# Altium PCB STEVAL-ESLBLECB.PcbDoc (part 2 of 2)
Units mm, origin at the board's own origin, x right, y up, seen from the top; angles counter-clockwise.
Board outline 45.59 x 31.82 mm, 4 copper layers (Top Layer, Mid Layer 1, Mid Layer 2, Bottom Layer), stack 0.886 mm thick; 85 components, 64 nets, 263 pads, 388 vias.
Unrouted connection lines stored in the file: 146.
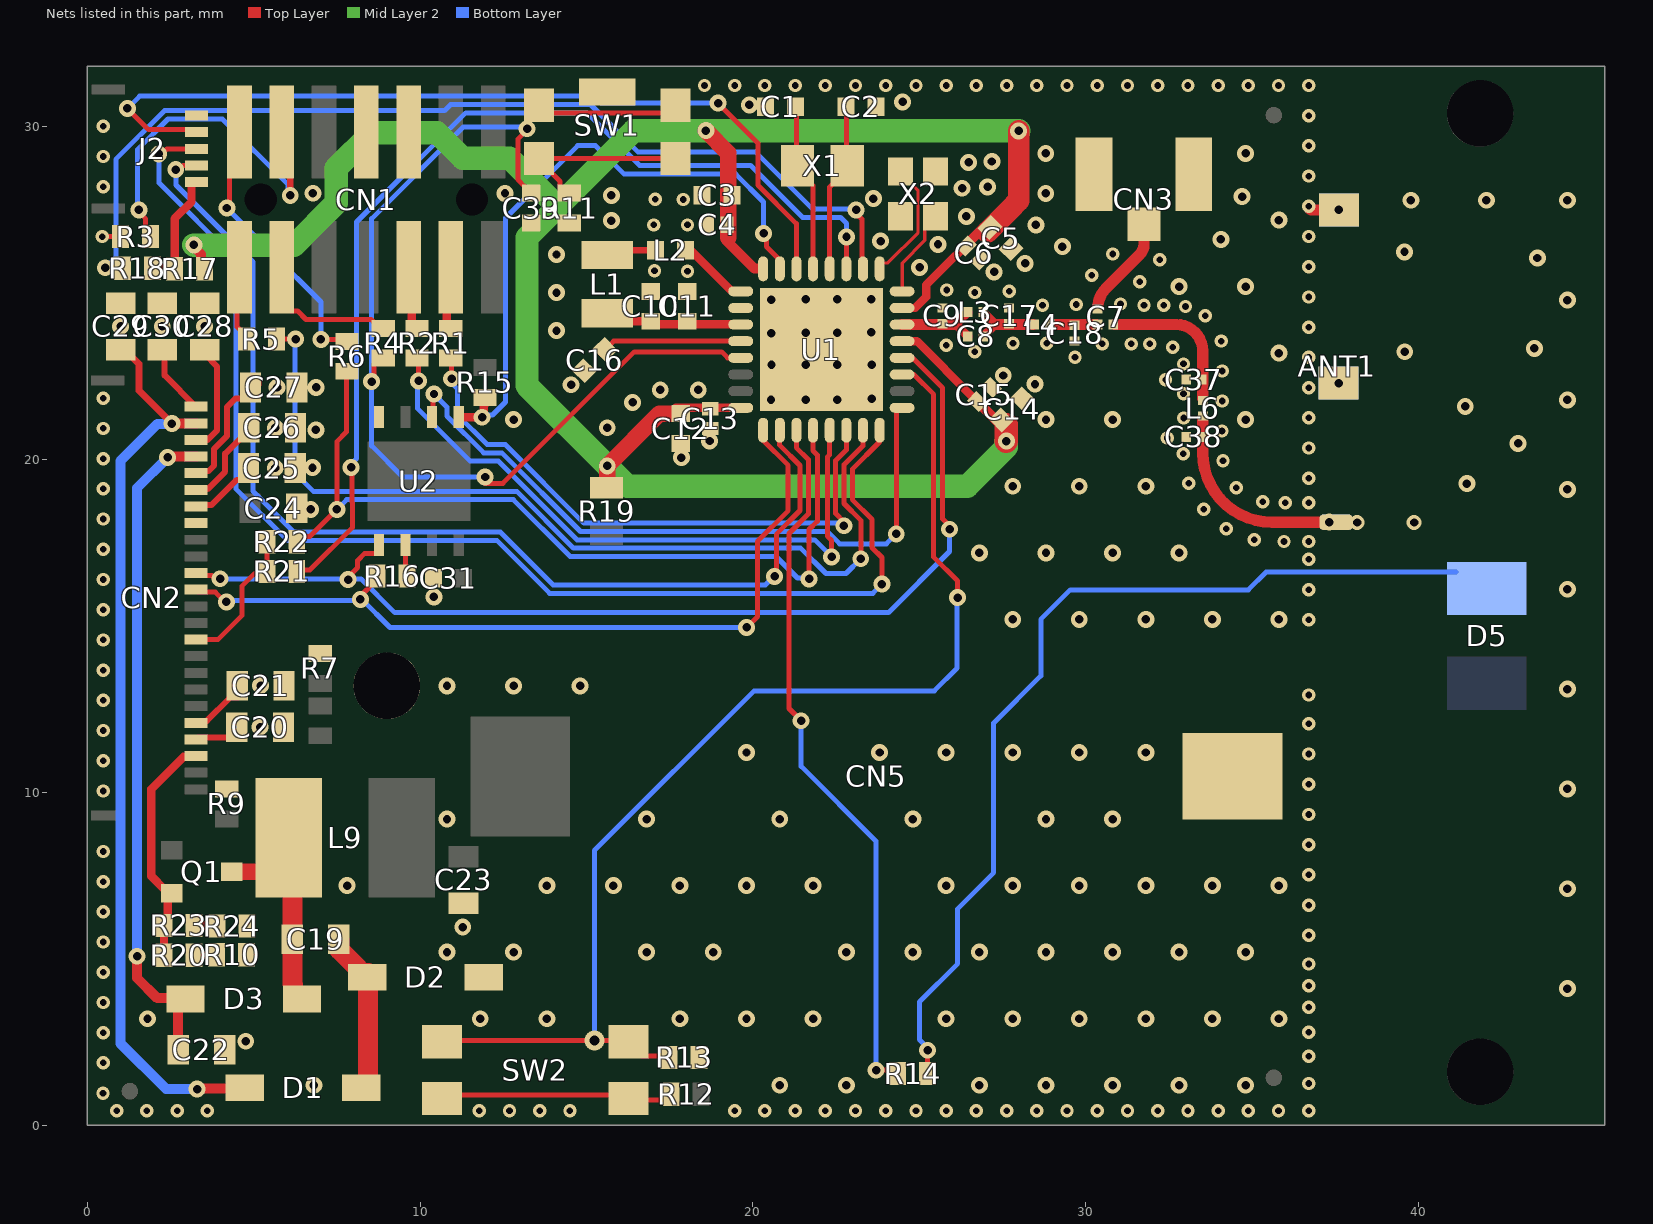
[diagram p4: the nets of this part, all layers, seen from the top]

## Via types
v1: diameter 0.508, hole 0.254, Top Layer to Bottom Layer, tented both sides, 207 vias
v2: diameter 0.4, hole 0.2, Top Layer to Bottom Layer, tented both sides, 157 vias
v3: diameter 0.508, hole 0.254, Top Layer to Bottom Layer, 20 vias
v4: diameter 0.45, hole 0.254, Top Layer to Bottom Layer, 2 vias
v5: diameter 0.6, hole 0.3, Top Layer to Bottom Layer, tented both sides, 2 vias

## Nets (pads, with @x,y where several pads share a name; then routed paths per layer and width w, separated by ;. In a path a pad name is that pad's centre, name@x,y a point inside that pad or via, vN(x,y) a via of type N, cw(c..) or ccw(c..) an arc to the next point about the centre after c; other vN are vias at no path point) (continued)
GND: ANT1.2 C1.2 C2.1 C3.1 C4.1 C5.1 C6.1 C9.1 C10.1 C11.1 C12.1 C13.1 C14.1 C15.1 C16.1 C17.1 C18.1 C20.1 C21.1 C22.1 C23.1 C24.1 C25.1 C26.1 C27.1 C28.1 C29.1 C30.1 C31.1 C37.1 C38.1 C39.1 CN1.5 CN1.7 CN2.17 CN3.2 CN3.3 CN5.2 D2.1 J2.1 pad.13@9,13.2 R3.1 R7.2 R9.1 R10.1 R11.1 R13.1 R24.2 SW1.5 U1.26 U1.33 U2.4 X2.2 X2.4 | length 1.5
  Top Layer w0.15: v2(0.45,26.7) R3.1@1,26.7
  Top Layer w0.34: v2(36.703,27.61) ccw(c36.812,27.61) 36.812,27.501 ANT1.2@37.6,27.501
  other v1: 6.807,1.198 20.807,1.198 22.807,1.198 26.807,1.198 28.807,1.198 30.807,1.198 32.807,1.198 34.807,1.198 4.76,2.521 1.807,3.198 11.807,3.198 13.807,3.198 17.807,3.198 19.807,3.198 21.807,3.198 25.807,3.198 27.807,3.198 29.807,3.198 31.807,3.198 33.807,3.198 35.807,3.198 10.807,5.198 12.807,5.198 16.807,5.198 18.807,5.198 22.807,5.198 24.807,5.198 26.807,5.198 28.807,5.198 30.807,5.198 32.807,5.198 34.807,5.198 11.281,5.95 7.807,7.198 13.807,7.198 15.807,7.198 17.807,7.198 19.807,7.198 21.807,7.198 25.807,7.198 27.807,7.198 29.807,7.198 31.807,7.198 33.807,7.198 35.807,7.198 10.807,9.198 16.807,9.198 20.807,9.198 24.807,9.198 28.807,9.198 30.807,9.198 19.807,11.198 23.807,11.198 25.807,11.198 27.807,11.198 29.807,11.198 31.807,11.198 5.192,11.958 10.807,13.198 12.807,13.198 14.807,13.198 5.207,13.208 27.807,15.198 29.807,15.198 31.807,15.198 33.807,15.198 35.807,15.198 10.414,15.875 26.807,17.198 28.807,17.198 30.807,17.198 32.807,17.198 6.713,18.5 27.807,19.198 29.807,19.198 31.807,19.198 5.645,19.746 6.764,19.757 17.852,20.058 18.696,20.557 6.866,20.89 5.651,20.951 15.621,20.955 12.807,21.198 28.807,21.198 30.807,21.198 34.807,21.198 16.383,21.717 20.542,21.804 21.591,21.798 22.536,21.804 23.565,21.826 17.214,22.095 18.357,22.095 5.702,22.166 6.875,22.168 14.538,22.249 28.475,22.269 27.521,22.526 20.557,22.855 21.581,22.855 22.536,22.855 23.565,22.855 35.807,23.198 20.55,23.799 21.591,23.813 22.536,23.814 23.555,23.82 14.097,23.876 1,24 2.25,24 3.522,24 20.555,24.808 21.591,24.814 22.536,24.814 23.555,24.824 14.097,25.019 32.807,25.198 34.807,25.198 27.249,25.639 25.008,25.773 28.176,25.893 14.097,26.162 29.3,26.4 25.561,26.468 23.836,26.566 34.06,26.616 28.5,27.05 15.748,27.178 35.807,27.198 26.416,27.305 23.621,27.84 34.7,27.9 15.748,27.94 6.778,28.002 12.55,28 28.8,28 26.286,28.153 27.051,28.194 26.481,28.927 27.178,28.956 28.8,29.198 34.807,29.198 19.891,30.66 24.5,30.75
  other v2: 0.88,0.429 1.788,0.429 2.696,0.429 3.604,0.429 11.776,0.429 12.684,0.429 13.592,0.429 14.5,0.429 19.451,0.429 20.359,0.429 21.267,0.429 22.175,0.429 23.083,0.429 23.991,0.429 24.899,0.429 25.807,0.429 26.715,0.429 27.623,0.429 28.531,0.429 29.439,0.429 30.347,0.429 31.255,0.429 32.163,0.429 33.071,0.429 33.979,0.429 34.887,0.429 35.795,0.429 36.703,0.429 0.47,0.962 36.703,1.25 0.473,1.869 36.703,2.071 0.473,2.777 36.703,2.794 36.703,3.541 0.476,3.685 36.703,4.191 0.476,4.593 36.703,4.841 0.478,5.5 36.703,5.703 0.478,6.408 36.703,6.611 0.481,7.316 36.703,7.519 0.481,8.224 36.703,8.427 36.703,9.335 0.481,10.04 36.703,10.243 0.481,10.948 36.703,11.151 0.481,11.856 36.703,12.059 0.481,12.764 36.703,12.925 0.481,13.672 0.481,14.58 36.703,15.184 0.481,15.488 36.703,16.092 0.481,16.396 36.703,17 0.481,17.304 35.959,17.536 36.703,17.536 35.06,17.588 34.223,17.919 0.481,18.212 33.545,18.51 36,18.7 36.703,18.7 35.318,18.728 0.481,19.12 34.526,19.156 33.095,19.289 36.703,19.438 34.123,19.961 0.481,20.028 32.931,20.174 36.703,20.346 32.45,20.65 34.098,20.86 0.481,20.936 32.95,21.25 36.703,21.254 34.098,21.76 0.481,21.844 32.939,21.974 36.703,22.162 32.4,22.4 34.099,22.66 32.937,22.874 29.677,23.071 36.703,23.07 26.67,23.241 32.616,23.379 25.807,23.433 30.5,23.475 31.367,23.475 31.927,23.475 27.813,23.495 28.829,23.495 34.068,23.56 36.703,23.978 33.593,24.324 33,24.6 28.702,24.638 31.75,24.638 32.34,24.637 29.716,24.657 31.044,24.675 36.703,24.886 26.67,25.019 27.705,25.06 25.825,25.093 31.622,25.339 30.179,25.542 17.041,25.671 18.034,25.654 36.703,25.794 32.224,26.007 30.816,26.177 36.703,26.702 17.018,27.051 18.034,27.051 17.064,27.824 17.907,27.813 0.481,28.2 36.703,28.518 0.481,29.108 36.703,29.426 0.481,30.016 36.703,30.334 18.543,31.242 19.451,31.242 20.359,31.242 21.267,31.242 22.175,31.242 23.083,31.242 23.991,31.242 24.899,31.242 25.807,31.242 26.715,31.242 27.623,31.242 28.531,31.242 29.439,31.242 30.347,31.242 31.255,31.242 32.163,31.242 33.071,31.242 33.979,31.242 34.887,31.242 35.795,31.242 36.703,31.242
GPO: J2.4 U1.2 | length 33.2
  Top Layer w0.15: v1(2.655,28.712) 2.752,28.712 2.877,28.837 J2.4@3.278,28.837 ; v1(20.653,16.492) 20.701,16.54 20.701,17.753 21.416,18.467 21.416,19.822 20.805,20.433 U1.2@20.805,20.876
  Bottom Layer w0.15: v1(2.655,28.712) 2.661,28.706 2.661,28.252 4.976,25.938 4.976,19.049 6.204,17.821 12.408,17.821 13.998,16.231 20.372,16.231 20.633,16.492 v1(20.653,16.492)
NetANT1_1: ANT1.1 C38.2 L6.2 | length 6.2
  Top Layer w0.34: L6.2@33.516,21.241 33.516,20.2 ccw(c35.599,20.2) 35.599,18.118 ANT1.1@37.523,18.118
  other v1: 37.319,18.118
  other v3: 44.476,4.101 44.476,7.101 44.476,10.101 44.476,13.101 44.476,16.101 44.476,19.101 41.452,19.279 42.993,20.485 41.406,21.599 44.476,21.793 37.6,22.299 39.587,23.24 43.482,23.34 44.476,24.793 43.573,26.057 39.58,26.24 37.6,27.501 39.773,27.793 42.042,27.793 44.476,27.793
  other v4: 38.158,18.109 39.869,18.109
NetC1_1: C1.1 U1.21 X1.1 | length 4.5
  Top Layer w0.15: X1.1@21.308,29.3 C1.1@21.308,30.675 ; X1.1@21.336,28.704 21.808,28.232 U1.21@21.808,25.731
NetC2_2: C2.2 U1.20 X1.2 | length 4.7
  Top Layer w0.15: U1.20@22.308,25.731 22.308,28.191 22.396,28.279 22.411,28.279 22.836,28.704 X1.2@22.836,28.829 ; X1.2@22.808,29.3 C2.2@22.808,30.675
NetC7_1: C7.1 C18.2 L4.2 | length 1.4
  Top Layer w0.34: L4.2@28.953,24.056 29.668,24.056 C7.1@30.319,24.056
NetC7_2: C7.2 CN3.1 | length 3
  Top Layer w0.34: C7.2@30.364,24.613 cw(c31.238,24.537) 30.618,25.157 31.623,26.162 ccw(c31.316,26.469) 31.75,26.469 CN3.1@31.75,27.075
NetC7_3: C7.3 C37.2 L6.1 | length 4.5
  Top Layer w0.34: C7.3@30.872,24.056 32.722,24.056 cw(c32.722,23.26) 33.518,23.26 33.518,22.445 33.52,22.443 L6.1@33.52,21.841
NetC8_1: C8.1 C9.2 L3.1 U1.14 | length 2.6
  Top Layer w0.28: 26.079,24.056 26.442,24.419 26.452,24.419 L3.1@26.452,24.429 ; 26.092,24.066 C8.1@26.453,23.705
  Top Layer w0.34: U1.14@24.483,24.056 25.693,24.056 26.088,24.056
NetC8_2: C8.2 C17.2 L3.2 L4.1 | length 2.1
  Top Layer w0.28: L3.2@26.922,24.429 27.284,24.067 ; C8.2@26.923,23.705 27.284,24.066
  Top Layer w0.34: 27.284,24.056 27.699,24.056 L4.1@28.406,24.056
NetC10_2: C10.2 C11.2 L1.1 U1.27 | length 4.1
  Top Layer w0.26: L1.1@15.621,24.398 15.863,24.156 C10.2@16.93,24.156 ; C10.2@16.93,24.064 18.03,24.064 19.625,24.064 U1.27@19.633,24.056
NetC16_2: C16.2 U1.28 | length 4.4
  Top Layer w0.15: C16.2@15.431,23.178 15.813,23.56 19.621,23.56 U1.28@19.625,23.556
NetC19_1: C19.1 D3.2 L9.2 Q1.3 | length 7.6
  Top Layer w0.5: Q1.3@4.336,7.614 5.397,7.614 6.047,8.264 L9.2@6.047,8.636
  Top Layer w0.6: L9.2@6.158,8.317 6.158,4.242 6.174,4.226 6.174,3.891 6.274,3.791 D3.2@6.449,3.791 ; L9.2@6.262,8.421 L9.2@6.604,8.763
NetC19_2: C19.2 D1.1 D2.2 | length 5
  Top Layer w0.6: C19.2@7.558,5.588 7.578,5.568 7.578,5.269 8.135,4.712 8.135,4.672 8.235,4.572 D2.2@8.446,4.572 ; D1.1@8.302,1.124 8.429,1.251 D2.2@8.429,4.553
NetC20_2: C20.2 CN2.4 | length 1.4
  Top Layer w0.18: CN2.4@3.262,11.59 3.322,11.65 4.471,11.65 C20.2@4.566,11.745
NetC21_2: C21.2 CN2.5 | length 1.6
  Top Layer w0.18: CN2.5@3.262,12.09 3.322,12.15 3.592,12.15 4.277,12.835 4.277,12.853 C21.2@4.531,12.853
NetC25_2: C25.2 CN2.18 | length 2.1
  Top Layer w0.18: CN2.18@3.262,18.59 3.309,18.637 3.736,18.637 4.49,19.391 4.615,19.391 4.845,19.621 C25.2@4.845,19.746
NetC26_2: C26.2 CN2.19 | length 2.9
  Top Layer w0.18: CN2.19@3.262,19.09 3.283,19.111 3.612,19.111 4.138,19.637 4.138,20.175 4.709,20.747 4.912,20.747 4.936,20.771 C26.2@4.936,20.973
NetC27_2: C27.2 CN2.20 | length 3.9
  Top Layer w0.18: CN2.20@3.262,19.59 3.322,19.65 3.64,19.65 3.81,19.82 3.81,20.32 4.191,20.701 4.191,21.574 4.449,21.832 4.728,21.832 5.142,22.246 C27.2@5.142,22.371
NetC28_2: C28.2 CN2.22 | length 3.2
  Top Layer w0.18: CN2.22@3.262,20.59 3.612,20.59 3.891,20.869 3.891,22.8 C28.2@3.535,23.156
NetCN1_4: CN1.4 R1.1 | length 1.9
  Top Layer w0.25: R1.1@10.795,23.945 10.795,25.654 CN1.4@10.922,25.781
NetCN1_6: CN1.6 R2.1 | length 2
  Top Layer w0.25: CN1.6@9.652,25.781 9.746,25.687 9.746,24.006 9.876,23.876 R2.1@9.906,23.876
NetCN1_11: CN1.11 R3.2 | length 10.8
  Top Layer w0.15: v1(1.55,27.5) 1.55,27.433 1.75,27.233 R3.2@1.75,26.7
  Top Layer w0.2: CN1.11@5.842,29.845 6.096,29.591 v1(6.096,27.94)
  Bottom Layer w0.15: v1(1.55,27.5) 1.509,27.541 1.509,29.321 2.421,30.233 4.057,30.233 6.034,28.256 6.034,28.002 v1(6.096,27.94)
NetCN1_12: CN1.12 R4.1 | length 4.4
  Top Layer w0.15: CN1.12@5.842,25.781 5.842,24.764 6.137,24.469 6.314,24.469 6.572,24.211 8.529,24.211 8.795,23.945 R4.1@8.89,23.945
NetCN1_13: CN1.13 R6.2 | length 8.4
  Top Layer w0.15: v1(4.191,27.559) 4.191,27.656 4.277,27.742 4.277,29.55 CN1.13@4.572,29.845 ; v1(7.018,23.608) 7.748,23.608 R6.2@7.802,23.554
  Bottom Layer w0.15: v1(4.191,27.559) 5.54,26.21 7.018,24.732 v1(7.018,23.608)
NetCN1_14: CN1.14 R5.1 | length 2.2
  Top Layer w0.15: CN1.14@4.502,25.724 4.502,23.983 4.59,23.895 4.596,23.895 4.776,23.715 R5.1@4.776,23.62
NetD5_1: D5.1 R14.1 | length 28.4
  Top Layer w0.15: R14.1@25.25,1.455 R14.1@25.25,1.55 v1(25.25,2.25)
  Bottom Layer w0.15: v1(25.25,2.25) 25.25,2.322 25.001,2.572 25.001,3.701 26.15,4.85 26.15,6.5 27.236,7.586 27.236,12.086 28.65,13.5 28.65,15.2 29.537,16.087 34.887,16.087 35.422,16.622 D5.1@41.122,16.622
NetL1_2: L1.2 L2.1 | length 1.5
  Top Layer w0.2: L1.2@15.63,26.131 15.788,26.289 L2.1@17.076,26.289
NetL2_2: L2.2 U1.25 | length 1.6
  Top Layer w0.25: L2.2@18.184,26.242 U1.25@19.347,25.079
NetR10_2: R10.2 R20.1 | length 0.7
  Top Layer w0.25: R20.1@3.2,5.1 3.208,5.108 3.878,5.108 R10.2@3.886,5.117
NetR11_2: R11.2 SW1.2 SW1.4 | length 5.6
  Top Layer w0.15: R11.2@14.478,28.009 14.383,28.009 14.203,28.189 14.203,28.363 13.571,28.995 SW1.4@13.571,29.045 SW1.2@17.671,29.045
NetR12_1: R12.1 SW2.B1 SW2.B2 | length 7.1
  Top Layer w0.15: SW2.B1@10.662,0.801 10.765,0.904 16.159,0.904 16.301,0.762 17.38,0.762 R12.1@17.545,0.927
NetR16_2: R16.2 U2.6 | length 1
  Top Layer w0.15: U2.6@9.56,17.437 9.56,16.547 R16.2@9.608,16.499
NetR23_1: R23.1 R24.1 | length 0.7
  Top Layer w0.25: R23.1@3.2,6 3.209,5.991 3.882,5.991 R24.1@3.891,5.983
NetU1_16: U1.16 X2.3 | length 2.7
  Top Layer w0.1: U1.16@24.483,25.056 24.483,25.905 25.162,26.584 25.162,27.044 X2.3@25.449,27.332
NetU1_17: U1.17 X2.1 | length 3.7
  Top Layer w0.1: U1.17@23.805,25.733 23.805,25.814 23.9,25.909 24.049,25.909 24.962,26.822 24.962,28.084 24.399,28.646 X2.1@24.399,28.659
PA0: J2.3 U1.8 | length 38.4
  Top Layer w0.15: v1(2.144,29.185) 2.241,29.185 2.393,29.337 J2.3@3.278,29.337 ; U1.8@23.805,20.876 23.805,20.528 22.988,19.71 22.988,18.795 23.577,18.206 23.577,17.354 23.876,17.055 v1(23.876,16.256)
  Bottom Layer w0.15: v1(2.144,29.185) 2.159,29.17 2.159,28.308 4.463,26.004 4.463,19.121 6.012,17.571 12.304,17.571 13.894,15.981 23.601,15.981 v1(23.876,16.256)
PA1: R5.2 U1.7 | length 27.3
  Top Layer w0.15: R5.2@5.722,23.661 5.777,23.606 5.79,23.619 v1(6.257,23.619) ; v1(23.241,17.018) 23.241,18.175 22.738,18.678 22.738,19.847 23.305,20.414 U1.7@23.305,20.876
  Bottom Layer w0.15: v1(6.257,23.619) 6.244,23.606 6.244,19.593 6.791,19.046 12.903,19.046 14.61,17.339 21.433,17.339 22.196,16.576 22.799,16.576 v1(23.241,17.018)
PA2: R1.2 U1.6 | length 17.9
  Top Layer w0.15: R1.2@10.922,23.045 10.944,23.023 v1(10.944,22.428) ; v1(22.733,18.011) 22.733,18.133 22.488,18.378 22.488,19.972 22.805,20.289 U1.6@22.805,20.876
  Bottom Layer w0.15: v1(10.944,22.428) 10.944,22.306 11.129,22.121 11.129,21.335 12.013,20.45 12.56,20.45 14.921,18.089 22.655,18.089 v1(22.733,18.011)
PA3: R2.2 U1.5 | length 19.5
  Top Layer w0.15: v1(9.952,22.362) R2.2@9.952,22.796 ; U1.5@22.305,20.876 22.305,20.143 22.238,20.076 22.238,17.697 22.366,17.569 v1(22.366,17.077)
  Bottom Layer w0.15: v1(9.952,22.362) 9.915,22.325 9.915,21.54 11.504,19.95 12.352,19.95 14.713,17.589 21.854,17.589 v1(22.366,17.077)
PA8: U1.9 U2.2 | length 20.9
  Top Layer w0.15: U2.2@10.36,21.273 10.388,21.3 10.388,21.941 v1(10.416,21.969) ; v1(24.306,17.764) 24.319,17.778 24.319,21.487 24.372,21.539 U1.9@24.71,21.539
  Bottom Layer w0.15: v1(10.416,21.969) 10.804,21.581 10.804,21.306 11.91,20.2 12.456,20.2 14.817,17.839 22.233,17.839 22.606,17.466 24.008,17.466 v1(24.306,17.764)
PA10: R13.2 SW2.A1 SW2.A2 U1.11 | length 35.6
  Top Layer w0.15: SW2.A1@10.662,2.501 10.701,2.54 v5(15.24,2.54) 16.223,2.54 SW2.A2@16.262,2.501 16.687,2.076 17.435,2.076 R13.2@17.479,2.032 ; U1.11@24.485,22.556 24.834,22.556 25.431,21.958 25.431,19.045 25.431,17.069 26.15,16.35 v1(26.15,15.85)
  Bottom Layer w0.15: v5(15.24,2.54) 15.24,8.255 20.035,13.05 25.45,13.05 26.136,13.736 26.136,15.836 v1(26.15,15.85)
PA11: CN2.14 U1.12 U2.5 | length 32.1
  Top Layer w0.15: CN2.14@3.262,16.59 3.337,16.515 3.738,16.515 3.766,16.487 3.922,16.487 v1(3.99,16.419) ; v1(7.836,16.394) 7.836,16.472 8.115,16.751 8.115,16.963 8.334,17.182 8.682,17.182 8.76,17.259 U2.5@8.76,17.437 ; U1.12@24.485,23.056 24.793,23.056 25.696,22.154 25.696,18.22 25.908,18.007 v1(25.908,17.907)
  Bottom Layer w0.15: v1(3.99,16.419) 3.996,16.413 7.817,16.413 v1(7.836,16.394) ; v1@7.821,16.409 8.229,16.409 9.239,15.399 24.072,15.399 25.908,17.235 v1(25.908,17.907)
PB0: R6.1 R22.2 U1.4 | length 25.6
  Top Layer w0.15: R22.2@6.292,17.526 6.455,17.689 6.684,17.689 v1(7.495,18.5) 7.495,20.538 7.788,20.831 R6.1@7.788,22.496 ; v1(21.686,16.414) 21.686,17.12 21.686,17.898 21.933,18.145 21.933,18.744 21.933,20.138 21.805,20.266 U1.4@21.805,20.876
  Bottom Layer w0.15: v1(7.495,18.5) 7.791,18.796 12.8,18.796 14.506,17.089 20.692,17.089 21.338,16.443 21.657,16.443 v1(21.686,16.414)
PB1: R14.2 U1.3 | length 21.3
  Top Layer w0.15: U1.3@21.305,20.876 21.305,20.359 21.666,19.999 21.666,18.364 21.082,17.78 21.082,12.518 v1(21.45,12.15) ; v1(23.7,1.65) 24.17,1.65 24.23,1.59 R14.2@24.23,1.518
  Bottom Layer w0.15: v1(21.45,12.15) 21.45,10.78 23.7,8.53 v1(23.7,1.65)
PB3: CN2.13 R16.1 U1.1 | length 24.5
  Top Layer w0.15: CN2.13@3.262,16.09 3.337,16.015 3.846,16.015 4.14,15.721 v1(4.175,15.721) ; v1(8.205,15.798) 8.205,15.901 8.708,16.404 R16.1@8.708,16.499 ; v1(19.812,14.954) 20.136,15.278 20.136,17.541 21.059,18.465 21.059,19.825 U1.1@20.303,20.581
  Bottom Layer w0.15: v1(4.175,15.721) 4.214,15.76 7.997,15.76 8.036,15.798 v1@8.249,15.798 ; v1(8.205,15.798) v1@8.249,15.798 ; v1(19.812,14.954) 19.81,14.952 9.095,14.952 v1@8.249,15.798
PB6: R15.1 U1.23 U2.1 | length 19.1
  Top Layer w0.15: v1(20.32,26.797) 20.406,26.711 20.406,26.398 20.805,25.999 U1.23@20.805,25.736
  Top Layer w0.25: U2.1@11.16,21.273 v1(11.863,21.273) 11.912,21.322 11.912,21.605 R15.1@11.933,21.626
  Bottom Layer w0.15: v1(11.863,21.273) 11.931,21.341 12.172,21.341 12.562,21.731 12.562,27.261 14.734,29.433 15.271,29.433 16.129,28.575 19.486,28.575 20.32,27.741 v1(20.32,26.797)
PB7: J2.2 U1.22 | length 26.3
  Top Layer w0.15: v1(1.2,30.55) 1.838,29.912 3.203,29.912 J2.2@3.278,29.837 ; v1(18.953,30.711) 18.953,30.704 20.146,29.511 20.146,28.249 21.305,27.09 U1.22@21.305,25.736
  Bottom Layer w0.15: v1(1.2,30.55) 1.57,30.92 15.221,30.92 15.43,30.711 v1(18.953,30.711)
PB14: R21.2 U1.19 | length 30.3
  Top Layer w0.15: R21.2@6.292,16.637 6.334,16.679 6.684,16.679 7.97,17.965 7.97,18.697 7.946,18.721 7.946,19.742 v1(7.924,19.764) ; U1.19@22.805,25.736 22.809,25.74 22.809,26.692 v1(22.811,26.694)
  Bottom Layer w0.15: v1(7.924,19.764) 7.924,19.861 8.089,20.026 8.089,27.139 11.37,30.42 15.014,30.42 16.597,28.837 19.931,28.837 21.495,27.273 22.638,27.273 22.811,27.1 v1(22.811,26.694)
PB15: R18.1 U1.18 | length 30
  Top Layer w0.15: v1(0.536,25.764) 0.986,25.764 R18.1@1,25.75 ; v1(23.1,27.5) 23.1,27.403 23.279,27.224 23.279,25.76 U1.18@23.308,25.731 ; U1.18@23.292,25.749 U1.18@23.305,25.736
  Bottom Layer w0.15: v1(0.536,25.764) 0.856,26.083 0.856,29.022 2.317,30.483 7.307,30.483 10.732,30.483 10.919,30.67 15.118,30.67 16.54,29.248 20.071,29.248 21.796,27.523 23.077,27.523 v1(23.1,27.5)
PREVGH: C22.2 CN2.21 D3.1 | length 19.6
  Top Layer w0.3: v1(1.494,5.074) 1.494,4.421 2.1,3.815 2.573,3.815 D3.1@2.663,3.905 ; v1(2.413,20.066) 2.437,20.09 CN2.21@3.262,20.09 ; C22.2@2.729,2.667 D3.1@2.729,3.791 ; D3.1@2.778,3.791 D3.1@2.949,3.791
  Bottom Layer w0.3: v1(1.494,5.074) 1.494,19.147 v1(2.413,20.066)
PREVGL: C29.2 CN2.23 D1.2 | length 27.5
  Top Layer w0.2: C29.2@1,23.3 1.125,23.3 1.55,22.875 1.55,22.072 v1(2.54,21.082) v1@2.548,21.09
  Top Layer w0.3: v1@2.548,21.09 CN2.23@3.262,21.09 ; v1(3.297,1.081) 3.318,1.103 4.706,1.103 D1.2@4.727,1.124
  Bottom Layer w0.3: v1(2.54,21.082) 2.532,21.074 2.105,21.074 0.99,19.959 0.99,2.46 2.369,1.081 v1(3.297,1.081)
RES: CN2.10 R21.1 R22.1 | length 4.4
  Top Layer w0.15: CN2.10@3.262,14.59 3.922,14.59 4.65,15.318 4.65,16.207 5,16.557 5.312,16.557 R21.1@5.392,16.637 R22.1@5.392,17.526
RESE: CN2.3 Q1.2 R20.2 R23.2 | length 7.2
  Top Layer w0.25: R20.2@2.3,5.1 R23.2@2.3,6 2.418,6.118 2.418,6.846 Q1.2@2.536,6.964 ; Q1.2@2.463,6.892 2.336,7.019 2.336,7.064 1.922,7.478 1.922,10.1 2.887,11.065 3.237,11.065 CN2.3@3.262,11.09 ; Q1.2@2.536,6.864 Q1.2@2.542,6.858
RSTN: C39.2 R4.2 SW1.1 SW1.3 U1.29 | length 34.2
  Top Layer w0.15: v1(8.544,22.344) 8.544,22.441 8.615,22.513 8.615,22.865 8.795,23.045 R4.2@8.89,23.045 ; v1@11.95,19.287 v1(11.95,19.475) ; v1@12.009,19.287 12.484,19.287 16.436,23.239 19.059,23.239 19.241,23.056 U1.29@19.625,23.056 ; C39.2@13.335,28.009 13.31,28.009 13.13,28.189 13.13,28.214 12.946,28.398 12.946,29.636 13.212,29.902 v1(13.212,29.941) 13.212,30.286 SW1.3@13.571,30.645 ; SW1.3@13.623,30.593 13.796,30.42 17.446,30.42 SW1.1@17.671,30.645
  Bottom Layer w0.15: v1@8.544,22.315 8.544,27.24 11.296,29.992 13.161,29.992 v1(13.212,29.941) ; v1(8.544,22.344) v1@8.647,22.241 ; v1@8.591,22.227 8.544,22.179 8.544,20.412 9.481,19.475 v1(11.95,19.475)
VCOM: C30.2 CN2.24 | length 2.1
  Top Layer w0.18: C30.2@2.321,23.3 2.321,22.531 CN2.24@3.262,21.59
VDD_BLUE: C3.2 C4.2 C5.2 C6.2 C12.2 C13.2 C14.2 C15.2 R17.1 R19.2 U1.13 U1.15 U1.24 U1.32 | length 73.4
  Top Layer w0.25: C12.2@17.684,21.556 U1.32@19.625,21.556 ; U1.13@24.485,23.556 24.924,23.556 C15.2@26.631,21.849 ; U1.15@24.485,24.556 24.875,24.556 25.206,24.887 25.206,25.245 25.923,25.961 ; 25.921,25.963 C6.2@26.275,26.317 ; C6.2@26.403,26.445 C6.2@26.407,26.449
  Top Layer w0.3: v1(3.2,26.45) 3.2,26.394 3.416,26.177 3.416,25.834 R17.1@3.5,25.75 ; 19.216,26.569 20.049,25.736 U1.24@20.235,25.736 ; C6.2@26.275,26.317 C6.2@26.403,26.445 ; C6.2@26.407,26.449 C5.2@26.954,26.996 ; C15.2@26.629,21.847 C15.2@26.739,21.738 ; C15.2@26.744,21.738 27.333,21.149 C14.2@27.409,21.149
  Top Layer w0.5: R19.2@15.621,19.15 v1(15.621,19.812) 17.181,21.372 C12.2@17.8,21.372 ; v1(18.584,29.883) 19.257,29.21 19.257,27.94 19.257,26.67
  Top Layer w0.65: C5.2@27.041,26.837 27.832,27.629 ; 27.854,27.654 27.985,27.785 v1(27.985,29.877)
  Top Layer w0.7: v1(27.614,20.554) C14.2@27.614,21.054
  Mid Layer 2 w0.7: v1(3.2,26.45) 3.209,26.441 6.212,26.441 7.482,27.711 7.482,28.76 8.541,29.819 10.508,29.819 11.277,29.05 12.687,29.05 14.138,27.6 ; v1(27.614,20.554) 27.614,20.375 26.439,19.2 16.233,19.2 v1(15.621,19.812) 13.208,22.225 13.208,26.67 14.138,27.6 ; v1(27.985,29.877) 27.979,29.883 v1(18.584,29.883) 16.421,29.883 14.138,27.6
VDD_EEP: J2.5 R17.2 R18.2 | length 3.3
  Top Layer w0.25: R18.2@1.905,25.75 R17.2@2.45,25.75 ; R17.2@2.621,25.735 2.621,27.237 3.128,27.744 J2.5@3.128,28.287
pads on no net: CN1.0 CN1.1 CN1.2 CN1.8 CN1.9 CN1.10 CN2.1 CN2.6 CN2.7 CN2.P1 CN2.P2 J2.P1 J2.P2 U2.9

## Polygon pours and split planes (outlines as drawn)
GND on Bottom Layer "NONET_L-01_P-001" (solid, remove dead copper, pour order 2): 0,31.815 0,0 37.28,0 37.28,31.815
GND on Mid Layer 1 "NONET_L-01_P-001" (solid, remove dead copper, pour order 0): 0,31.815 0,0 37.28,0 37.28,31.815
GND on Mid Layer 2 "NONET_L-01_P-001" (solid, remove dead copper, pour order 1): 0,31.815 0,0 37.28,0 37.28,31.815
GND on Top Layer "NONET_L-01_P-001" (solid, remove dead copper, pour order 3): 0,31.815 0,0 37.28,0 37.28,31.815

## Keep-outs
Keep-Out Layer:
  lines w0.1: -0.05,-0.004 ccw(c0,-0.004) 0,-0.054 ; -0.05,-0.004 ccw(c0,-0.004) 0,-0.054 ; -0.05,-0.004 -0.05,31.815 ; -0.05,31.815 cw(c0,31.815) 0,31.865 ; -0.05,31.815 cw(c0,31.815) 0,31.865 ; 0,-0.054 45.593,-0.054 ; 0,31.865 45.593,31.865 ; 45.593,-0.054 ccw(c45.593,-0.004) 45.643,-0.004 ; 45.593,-0.054 ccw(c45.593,-0.004) 45.643,-0.004 ; 45.593,31.865 cw(c45.593,31.815) 45.643,31.815 ; 45.593,31.865 cw(c45.593,31.815) 45.643,31.815 ; 45.643,-0.004 45.643,31.815 ; 0.05,0.046 0.05,31.765 45.543,31.765 45.543,0.046 0.05,0.046

## Other copper
Top Layer:
  region net GND: 37.28,28.128 37.28,26.87 36.58,26.87 36.45,27 36.45,28.1 37.252,28.1
  pour cut-out: 21.629,29.379 22.308,29.379 22.308,26.818 21.63,26.818
  pour cut-out: 37.084,18.471 35.599,18.474 35.599,17.776 37.084,17.776
  region net GND: 25.585,24.909 25.083,24.407 25.585,24.407
  pour cut-out: 33.863,20.309 33.869,23.254 33.168,23.254 33.168,20.309
  pour cut-out: 30.95,27.675 32.55,27.675 32.55,26.41 30.95,26.41
  pour cut-out: 27.181,21.743 25.161,23.77 25.024,23.633 27.044,21.606
  pour cut-out: 25.835,25.482 26.137,25.18 26.29,25.332 25.988,25.635
  pour cut-out: 13.566,29.22 13.566,30.176 18.23,30.176 18.23,29.22
  pour cut-out: 16.399,28.233 16.399,28.333 18.923,28.333 18.923,28.233
  pour cut-out: 27.071,23.712 32.722,23.701 32.723,24.401 27.071,24.401
  pour cut-out: 24.158,23.707 26.196,23.703 26.196,24.406 24.158,24.406
  pour cut-out: 30.8,29.675 32.7,29.675 32.7,27.575 30.8,27.575
  pour cut-out: 14.846,26.575 16.396,26.575 16.396,24.818 14.846,24.818
  pour cut-out: 19.918,25.347 24.155,25.347 24.155,21.211 19.919,21.211
  pour cut-out: 16.396,28.236 16.714,28.236 16.714,24.711 16.396,24.711
  pour cut-out: 26.109,25.318 26.108,24.706 26.303,24.706 26.304,25.318
  pour cut-out: 25.463,25.067 26.843,26.442 26.706,26.58 25.326,25.205
  region net GND: 25.535,24.407 25.535,25.117 25.866,25.448 25.869,25.448 26.103,25.214 26.103,24.524 25.986,24.407
Mid Layer 1:
  pour cut-out: 30.8,29.675 32.7,29.675 32.7,26.575 30.8,26.575
Mid Layer 2:
  pour cut-out: 30.8,29.675 32.7,29.675 32.7,26.575 30.8,26.575
Bottom Layer:
  region net GND: 37.28,28.128 37.28,26.87 36.58,26.87 36.45,27 36.45,28.1 37.252,28.1

## Silkscreen, mask and mechanical layers (free items; w line width, h text height)
Top Overlay:
  circle w0.254: c4.064,10.869 r0.18
  circle w0.254: c1.778,3.556 r0.18
  circle w0.254: c11.916,5.619 r0.18
  circle w0.254: c9.376,1.513 r0.18
Bottom Overlay:
  region: 1148 vertices and 5 holes, not listed, extent 24.036,15.256 30.036,21.256
  text "STEVAL-ESLBLECB" at 9.89,25.671 h2.5 r180
Mechanical 14:
  lines w0.05: -0.016,8.99 3.562,8.99 3.562,22.69 -0.016,22.69 -0.016,8.99 ; 0,27.237 3.578,27.237 3.578,31.437 0,31.437 0,27.237 ; 2.374,2.992 7.274,2.992 7.274,4.591 2.374,4.591 2.374,2.992 ; 3.902,0.324 8.802,0.324 8.802,1.923 3.902,1.923 3.902,0.324 ; 5.347,6.236 5.347,11.036 10.147,11.036 10.147,6.236 5.347,6.236 ; 7.585,3.645 12.485,3.645 12.485,5.244 7.585,5.244 7.585,3.645 ; 7.788,17.183 12.132,17.183 12.132,21.527 7.788,21.527 7.788,17.183 ; 11.112,-0.004 11.112,3.401 15.812,3.401 15.812,-0.004 11.112,-0.004 ; 25.434,23.809 25.942,23.809 25.942,24.825 25.434,24.825 25.434,23.809 ; 26.182,24.173 26.182,24.681 27.198,24.681 27.198,24.173 26.182,24.173 ; 26.183,23.461 26.183,23.969 27.199,23.969 27.199,23.461 26.183,23.461 ; 27.443,23.809 27.951,23.809 27.951,24.825 27.443,24.825 27.443,23.809 ; 28.181,23.802 28.181,24.31 29.198,24.31 29.198,23.802 28.181,23.802 ; 29.417,23.293 29.925,23.293 29.925,24.309 29.417,24.309 29.417,23.293 ; 30.098,23.811 30.098,24.319 31.114,24.319 31.114,23.811 30.098,23.811 ; 32.748,20.422 32.748,20.93 33.764,20.93 33.764,20.422 32.748,20.422 ; 32.748,22.146 32.748,22.654 33.764,22.654 33.764,22.146 32.748,22.146 ; 33.259,21.03 33.767,21.03 33.767,22.046 33.259,22.046 33.259,21.03 ; 40.35,12.275 40.35,17.125 43.75,17.125 43.75,12.275 40.35,12.275
  text "J2" at 1.143,28.956 h1.52
  text "U2" at 9.144,18.94 h1.52
  text "D2" at 9.3,3.95 h1.52
  text "D3" at 3.95,3.3 h1.52
  text "D1" at 5.95,0.65 h1.52
Mechanical 16:
  lines w0.001: 0.05,8.99 0.05,22.69 3.578,22.69 3.578,8.99 0.05,8.99 ; 0.05,27.237 0.05,31.437 3.578,31.437 3.578,27.237 0.05,27.237 ; 2.124,2.992 7.274,2.992 7.274,4.592 2.124,4.592 2.124,2.992 ; 3.902,0.324 9.052,0.324 9.052,1.924 3.902,1.924 3.902,0.324 ; 5.247,6.088 10.247,6.088 10.247,11.136 5.247,11.136 5.247,6.088 ; 7.585,3.759 12.735,3.759 12.735,5.359 7.585,5.359 7.585,3.759 ; 7.788,17.183 12.132,17.183 12.132,21.526 7.788,21.526 7.788,17.183 ; 9.862,-0.004 17.062,-0.004 17.062,3.401 9.862,3.401 9.862,-0.004 ; 25.434,23.809 25.942,23.809 25.942,24.825 25.434,24.825 25.434,23.809 ; 26.133,24.178 26.133,24.686 27.149,24.686 27.149,24.178 26.133,24.178 ; 26.19,23.461 26.19,23.969 27.206,23.969 27.206,23.461 26.19,23.461 ; 27.417,23.778 27.925,23.778 27.925,24.794 27.417,24.794 27.417,23.778 ; 28.193,23.778 28.193,24.286 29.209,24.286 29.209,23.778 28.193,23.778 ; 29.402,23.289 29.91,23.289 29.91,24.305 29.402,24.305 29.402,23.289 ; 30.056,23.787 30.056,24.295 31.072,24.295 31.072,23.787 30.056,23.787 ; 32.746,22.147 32.746,22.655 33.762,22.655 33.762,22.147 32.746,22.147 ; 32.751,20.412 32.751,20.92 33.767,20.92 33.767,20.412 32.751,20.412 ; 33.259,21.068 33.767,21.068 33.767,22.084 33.259,22.084 33.259,21.068 ; 40.35,12.275 43.75,12.275 43.75,17.125 40.35,17.125 40.35,12.275
Drill Drawing:
  lines w0.381: -23.151,-36.242 -12.74,-36.242 10.876,-36.242 38.554,-36.242 55.06,-36.242 69.534,-36.242 ; -23.151,-33.194 -12.74,-33.194 10.876,-33.194 38.554,-33.194 55.06,-33.194 69.534,-33.194 ; -23.151,-30.146 -12.74,-30.146 10.876,-30.146 38.554,-30.146 55.06,-30.146 69.534,-30.146 ; -23.151,-27.098 -12.74,-27.098 10.876,-27.098 38.554,-27.098 55.06,-27.098 69.534,-27.098 ; -23.151,-24.05 -12.74,-24.05 10.876,-24.05 38.554,-24.05 55.06,-24.05 69.534,-24.05 ; -23.151,-21.002 -12.74,-21.002 10.876,-21.002 38.554,-21.002 55.06,-21.002 69.534,-21.002 ; -23.151,-17.954 -12.74,-17.954 10.876,-17.954 38.554,-17.954 55.06,-17.954 69.534,-17.954 ; -23.151,-14.906 -12.74,-14.906 10.876,-14.906 38.554,-14.906 55.06,-14.906 69.534,-14.906 ; -23.151,-11.858 -12.74,-11.858 10.876,-11.858 38.554,-11.858 55.06,-11.858 69.534,-11.858 ; -23.151,-8.81 -12.74,-8.81 10.876,-8.81 38.554,-8.81 55.06,-8.81 69.534,-8.81 ; -23.151,-5.762 69.534,-5.762 ; -12.74,-2.714 -12.74,-39.29 ; 10.876,-2.714 10.876,-39.29 ; 38.554,-2.714 38.554,-39.29 ; 55.06,-2.714 55.06,-39.29 ; -12.74,-39.29 10.876,-39.29 ; -12.74,-39.29 -23.151,-39.29 -23.151,-2.714 69.534,-2.714 69.534,-39.29 55.06,-39.29 ; 10.876,-39.29 38.554,-39.29 ; 38.554,-39.29 55.06,-39.29
  text "Layer" at -21.373,-5 h1.52
  text "Name" at -10.962,-5 h1.52
  text "Material" at 12.654,-5 h1.52
  text "Thickness" at 40.332,-5 h1.52
  text "Constant" at 56.838,-5 h1.52
  text "Top Overlay" at -10.962,-8.048 h1.52
  text "Top Solder" at -10.962,-11.096 h1.52
  text "Solder Resist" at 12.654,-11.096 h1.52
  text "0.010mm" at 40.332,-11.096 h1.52
  text "3.5" at 56.838,-11.096 h1.52
  text "1" at -21.373,-14.144 h1.52
  text "Top Layer" at -10.962,-14.144 h1.52
  text "0.035mm" at 40.332,-14.144 h1.52
  text "Dielectric 1" at -10.962,-17.192 h1.52
  text "S-1000-2 (2x2116)" at 12.654,-17.192 h1.52
  text "0.240mm" at 40.332,-17.192 h1.52
  text "4.34" at 56.838,-17.192 h1.52
  text "2" at -21.373,-20.24 h1.52
  text "Mid Layer 1" at -10.962,-20.24 h1.52
  text "0.018mm" at 40.332,-20.24 h1.52
  text "Dielectric 2" at -10.962,-23.288 h1.52
  text "S-1000-2 (2x1506)" at 12.654,-23.288 h1.52
  text "0.300mm" at 40.332,-23.288 h1.52
  text "4.6" at 56.838,-23.288 h1.52
  text "3" at -21.373,-26.336 h1.52
  text "Mid Layer 2" at -10.962,-26.336 h1.52
  text "0.018mm" at 40.332,-26.336 h1.52
  text "Dielectric 3" at -10.962,-29.384 h1.52
  text "S-1000-2 (2x2116)" at 12.654,-29.384 h1.52
  text "0.240mm" at 40.332,-29.384 h1.52
  text "4.34" at 56.838,-29.384 h1.52
  text "4" at -21.373,-32.432 h1.52
  text "Bottom Layer" at -10.962,-32.432 h1.52
  text "0.035mm" at 40.332,-32.432 h1.52
  text "Bottom Solder" at -10.962,-35.48 h1.52
  text "Solder Resist" at 12.654,-35.48 h1.52
  text "0.010mm" at 40.332,-35.48 h1.52
  text "3.5" at 56.838,-35.48 h1.52
  text "Bottom Overlay" at -10.962,-38.528 h1.52
  text "Total board thickness:" at -21.373,-41.576 h1.52
  text "0.906mm" at 40.332,-41.576 h1.52

## Text inside footprints (layer, text, board x,y; h text height)
CN1: Top Overlay "1" at 13.132,31.363 h1.5 r180; Top Overlay "2" at 13.357,25.263 h1.5 r180; Mechanical 14 "1" at 12.332,30.963 h1 r180; Mechanical 14 "13" at 4.982,30.963 h1 r180; Mechanical 14 "14" at 5.007,25.288 h1 r180; Mechanical 14 "2" at 12.432,25.238 h1 r180
Designator13: Bottom Overlay "2002/95/EC" at 17.389,9.961 h0.59 r180; Bottom Overlay "COMPLIANT" at 17.828,8.936 h0.59 r180
Q1: Mechanical 14 "3" at 4.136,7.764 h0.75 r270; Mechanical 14 "2" at 2.261,7.114 h0.75 r270; Mechanical 14 "1" at 2.261,8.364 h0.75 r270
SW1: Top Overlay "1" at 17.971,30.62 h1.5; Mechanical 14 "4" at 13.621,28.72 h1; Mechanical 14 "2" at 17.196,28.72 h1; Mechanical 14 "3" at 13.621,30.32 h1; Mechanical 14 "1" at 17.396,30.32 h1
U1: Top Overlay "1" at 20.058,20.231 h1.5 r90; Mechanical 14 "1" at 20.258,20.831 h0.5; Mechanical 14 "8" at 23.708,20.831 h0.5; Mechanical 14 "9" at 24.508,21.456 h0.5 r90; Mechanical 14 "16" at 24.508,24.881 h0.5 r90; Mechanical 14 "17" at 23.608,25.456 h0.5; Mechanical 14 "24" at 20.083,25.481 h0.5; Mechanical 14 "25" at 19.608,25.306 h0.5 r270; Mechanical 14 "32" at 19.608,21.781 h0.5 r270; Mechanical 14 "33" at 21.783,23.156 h0.5
X2: Mechanical 14 "4" at 25.287,28.734 h0.5 r270; Mechanical 14 "3" at 25.287,27.459 h0.5 r270; Mechanical 14 "2" at 24.312,27.459 h0.5 r270; Mechanical 14 "1" at 24.312,28.709 h0.5 r270